# Altium PCB EVK-IRIS-W1.PcbDoc (part 1 of 9) (continued)
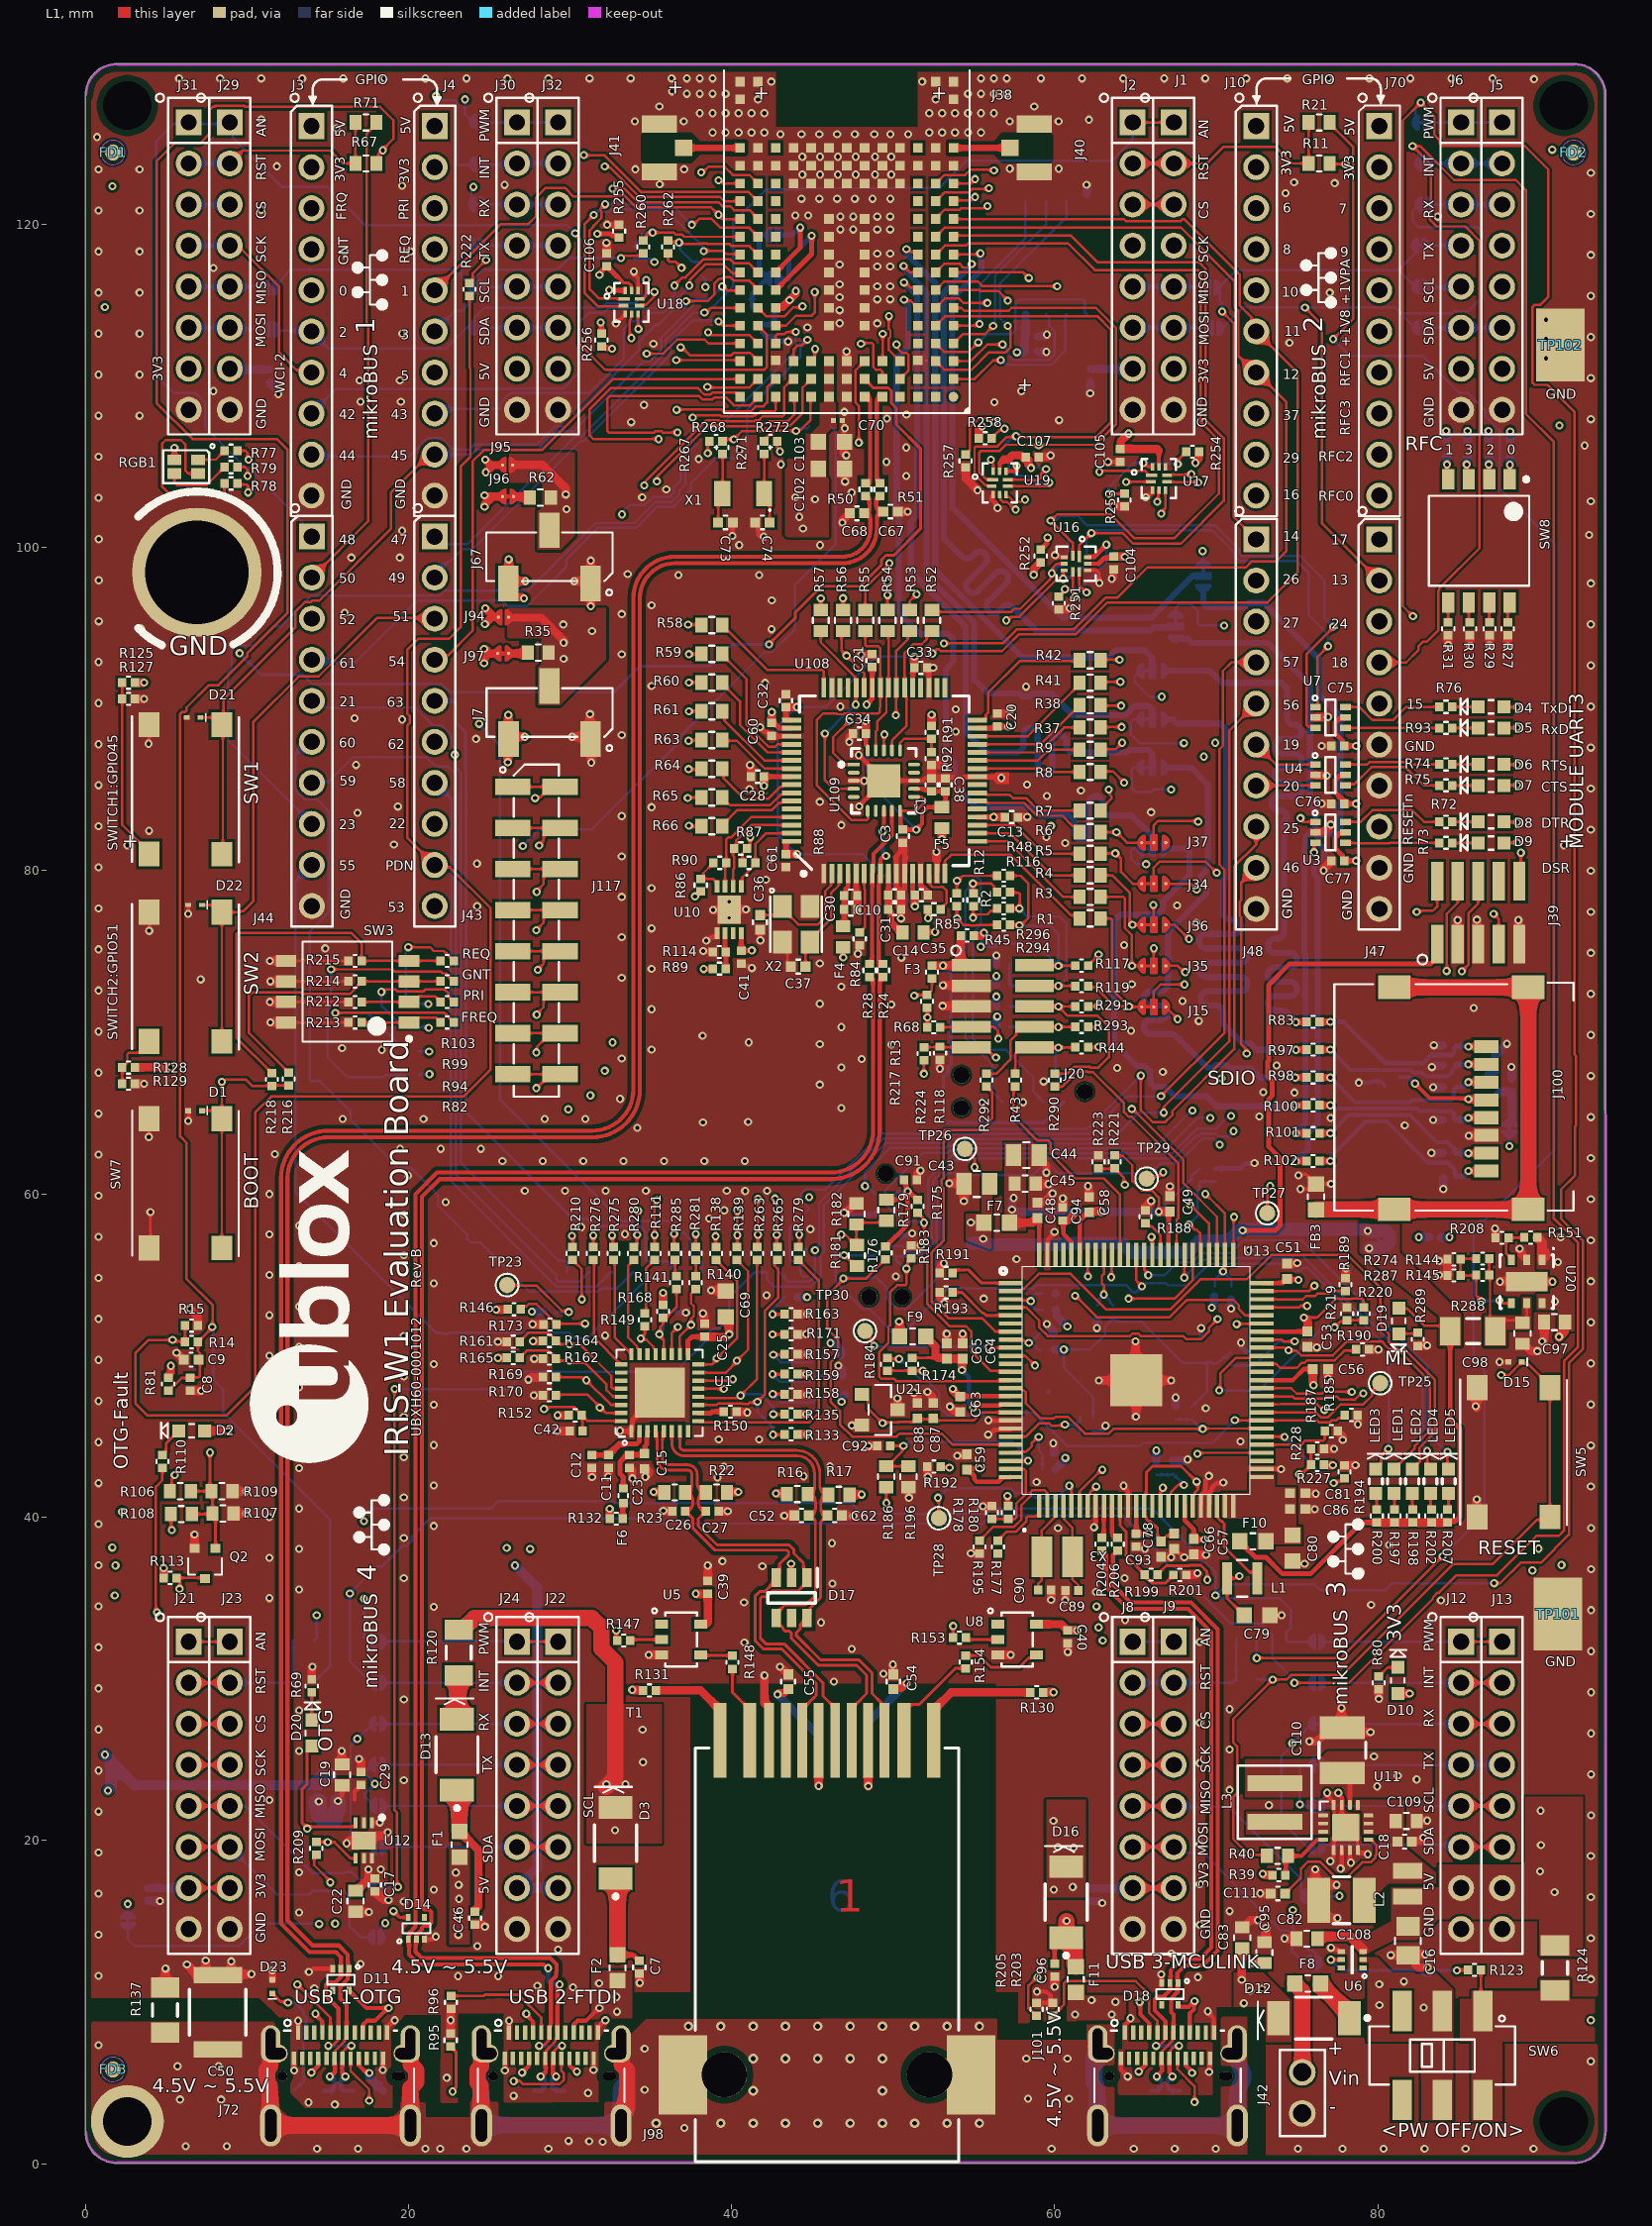
[diagram p0: L1 view]
## Components (designator, comment, footprint, x,y, rotation, side; value= is the part's Value field where it differs from the comment)
C1 "120-000160.1uF" "Cap 0402 HD"#1 52.378,85.305 r90 top locked value=0.1uF
C2 "120-000160.1uF" "Cap 0402 HD"#2 11.405,110.605 r90 top locked value=0.1uF
C3 "120-000160.1uF" "Cap 0402 HD"#1 50.6,82.13 r270 top locked value=0.1uF
C4 "120-000160.1uF" "Cap 0402 HD"#1 62.2,110.621 r90 bottom locked value=0.1uF
C5 "120-000160.1uF" "Cap 0402 HD"#1 62.2,16.626 r90 bottom locked value=0.1uF
C6 "120-000160.1uF" "Cap 0402 HD"#1 3.873,16.651 r90 bottom locked value=0.1uF
C7 "120-000160.1uF" "Cap 0402 HD"#1 34.294,12.141 r90 top locked value=0.1uF
C8 "UBXH01-000024410U" "Cap 0402 HD"#1 6.507,48.213 r270 top locked value=10U
C9 "UBXH01-002302510N" "Cap 0402" 6.558,49.738 r180 top locked value=10N
C10 "120-000160.1uF" "Cap 0402 HD"#1 47.375,78.447 r0 top locked value=0.1uF
C11 "120-000422.2uF" "Cap 0402 HD"#1 32.38,43.451 r270 top locked value=2.2uF
C12 "120-000160.1uF" "Cap 0402 HD"#1 31.342,43.434 r270 top locked value=0.1uF
C13 "120-000160.1uF" "Cap 0402 HD"#1 57.331,83.309 r0 top locked value=0.1uF
C14 "120-000160.1uF" "Cap 0402 HD"#1 50.092,78.473 r0 top locked value=0.1uF
C15 "UBXH01-00002434U7" Cap_0402_1200Lx700Wx700H_600x600Pad_350G_FLX 34.617,43.451 r270 top locked value=4U7
C16 "UBXH01-00000074U7" "Cap 0805" 81.861,13.787 r270 top locked value=4U7
C17 "120-000160.1uF" "Cap 0402 HD"#3 17.929,17.238 r270 top locked value=0.1uF
C18 "UBXH01-00002111N5" "CAP 0402"#1 81.657,19.918 r0 top locked value=1N5
C19 "UBXH01-000031010U" "Cap 0603 HD"#1 15.899,24.054 r270 top locked value=10U
C20 "120-000160.1uF" "Cap 0402 HD"#1 56.442,89.318 r90 top locked value=0.1uF
C21 "120-000160.1uF" "Cap 0402 HD"#1 48.707,92.993 r90 top locked value=0.1uF
C22 "UBXH01-000031010U" "Cap 0603 HD"#2 16.727,16.231 r90 top locked value=10U
C23 "120-000160.1uF" "Cap 0402 HD"#1 33.684,43.451 r270 top locked value=0.1uF
C24 "120-000160.1uF" "Cap 0402 HD"#1 58.545,113.03 r0 bottom locked value=0.1uF
C25 "120-000160.1uF" "Cap 0402 HD"#1 38.325,51.551 r90 top locked value=0.1uF
C26 "UBXH01-0000233100N" "Cap 0402 HD"#1 36.736,40.373 r0 top locked value=100N
C27 "UBXH01-0000233100N" "Cap 0402 HD"#1 38.819,40.373 r180 top locked value=100N
C28 "120-000160.1uF" "Cap 0402 HD"#1 41.609,85.813 r180 top locked value=0.1uF
C29 "120-000160.1uF" "Cap 0402 HD"#1 17.067,23.825 r90 top locked value=0.1uF
C30 "UBXH01-00002434U7" "Cap 0402 HD"#1 47.375,77.584 r0 top locked value=4U7
C31 "UBXH01-00002434U7" "Cap 0402 HD"#1 50.092,77.609 r0 top locked value=4U7
C32 "UBXH01-00002434U7" "Cap 0402 HD"#1 43.361,90.512 r90 top locked value=4U7
C33 "120-000160.1uF" "Cap 0402 HD"#1 51.707,92.544 r0 top locked value=0.1uF
C34 "120-000160.1uF" "Cap 0402 HD"#1 47.908,88.48 r180 top locked value=0.1uF
C35 "120-000160.1uF" "Cap 0402 HD"#1 51.743,78.473 r0 top locked value=0.1uF
C36 "UBXH01-000401718P" "Cap 0402" 41.761,76.796 r270 top locked value=18P
C37 "UBXH01-000401718P" "Cap 0402" 44.123,74.053 r180 top locked value=18P
C38 "UBXH01-00002434U7" "Cap 0402 HD"#1 53.242,85.305 r90 top locked value=4U7
C39 "120-000160.1uF" "Cap 0402 HD"#1 38.53,35.662 r90 top locked value=0.1uF
C40 "120-000160.1uF" "Cap 0402 HD"#1 60.813,32.588 r270 top locked value=0.1uF
C41 "120-000160.1uF" "Cap 0402 HD"#1 40.604,74.631 r270 top locked value=0.1uF
C42 "120-000160.1uF" "Cap 0402 HD"#1 30.375,45.327 r180 top locked value=0.1uF
C43 "120-0012910uF" "Cap 0805 HD"#1 55.167,60.604 r180 top locked value=10uF
C44 "120-0012910uF" "Cap 0805 HD"#1 58.244,62.392 r0 top locked value=10uF
C45 "UBXH01-00002784U7" "Cap 0603 HD"#3 58.166,60.63 r0 top locked value=4U7
C46 "120-000160.1uF" "Cap 0402 HD"#1 24.128,15.189 r90 top locked value=0.1uF
C47 "UBXH01-00002434U7" "Cap 0402 HD"#1 58.545,112.098 r0 bottom locked value=4U7
C48 "UBXH01-0000233100N" Cap_0402_1100Lx600Wx600H_600x600Pad_350G_FLX#1 58.928,58.978 r90 top locked value=100N
C49 "UBXH01-0000233100N" Cap_0402_1100Lx600Wx600H_600x600Pad_350G_FLX#1 67.129,59.382 r90 top locked value=100N
C50 "1812GC472KAT1A\1K" FP-1812-L_4_6_0_5-W_3_2_0-MFG 8.199,9.359 r270 top locked
C51 "UBXH01-0000233100N" Cap_0402_1100Lx600Wx600H_600x600Pad_350G_FLX#1 74.368,55.211 r90 top locked value=100N
C52 "UBXH01-0000233100N" "CAP 0402"#2 44.332,40.099 r180 top locked value=100N
C53 "UBXH01-0000233100N" Cap_0402_1100Lx600Wx600H_600x600Pad_350G_FLX#1 75.64,51.003 r270 top locked value=100N
C54 "UBXH01-0000233100N" "Cap 0402" 50.011,29.813 r90 top locked value=100N
C55 "UBXH01-0000233100N" "Cap 0402" 43.509,29.813 r90 top locked value=100N
C56 "UBXH01-0000233100N" Cap_0402_1100Lx600Wx600H_600x600Pad_350G_FLX#1 76.452,49.149 r0 top locked value=100N
C57 "UBXH01-002302510N" Cap_0402_1100Lx600Wx600H_600x600Pad_350G_FLX#1 68.604,38.176 r270 top locked value=10N
C58 "UBXH01-002302510N" Cap_0402_1100Lx600Wx600H_600x600Pad_350G_FLX#1 62.128,59.334 r90 top value=10N
C59 "UBXH01-002302510N" Cap_0402_1100Lx600Wx600H_600x600Pad_350G_FLX#1 54.558,43.409 r90 top locked value=10N
C60 "120-000160.1uF" "Cap 0402 HD"#1 42.472,88.734 r270 top locked value=0.1uF
C61 "120-000160.1uF" "Cap 0402 HD"#1 43.361,80.606 r270 top locked value=0.1uF
C62 "UBXH01-0000233100N" "CAP 0402"#2 46.38,40.099 r180 top locked value=100N
C63 "UBXH01-002302510N" Cap_0402_1100Lx600Wx600H_600x600Pad_350G_FLX#1 54.149,46.981 r270 top locked value=10N
C64 "UBXH01-0000233100N" Cap_0402_1100Lx600Wx600H_600x600Pad_350G_FLX#1 54.304,50.267 r90 top locked value=100N
C65 "UBXH01-000802247P" Cap_0402_1100Lx600Wx600H_600x600Pad_350G_FLX#1 53.326,50.267 r90 top locked value=47P
C66 "UBXH01-000802247P" Cap_0402_1100Lx600Wx600H_600x600Pad_350G_FLX#1 67.392,38.5 r270 top value=47P
C67 "UBXH01-00040115P6" "Cap 0402" 49.832,102.209 r0 top locked value=5P6
C68 "UBXH01-00040115P6" "Cap 0402" 47.755,102.103 r180 top locked value=5P6
C69 "UBXH01-000004122U" "cap 0603" 39.63,53.188 r90 top locked value=22U
C70 "UBXH01-0000245100N" "Cap 0201 HD"#1 46.582,107.854 r0 top locked value=100N
C71 "120-0013310uF" "Cap 0805 HD"#2 86.841,66.573 r90 bottom locked value=10uF
C72 "120-000770.1uF" "Cap 0402 HD"#1 88.289,66.726 r90 bottom locked value=0.1uF
C73 "UBXH01-000401718P" "Cap 0402" 39.624,101.533 r0 top locked value=18P
C74 "UBXH01-000401718P" "Cap 0402" 41.91,101.533 r180 top locked value=18P
C75 "120-000160.1uF" "Cap 0402 HD"#1 77.507,87.711 r180 top locked value=0.1uF
C76 "120-000160.1uF" "Cap 0402 HD"#1 77.507,84.13 r180 top locked value=0.1uF
C77 "120-000160.1uF" "Cap 0402 HD"#1 77.507,80.607 r180 top locked value=0.1uF
C78 "UBXH01-0000233100N" Cap_0402_1100Lx600Wx600H_600x600Pad_350G_FLX#1 66.572,38.024 r270 top locked value=100N
C79 "UBXH01-000015022U" "Cap 0603"#1 72.515,33.925 r0 top locked value=22U
C80 "UBXH01-000015022U" "Cap 0603"#2 74.713,38.066 r270 top locked value=22U
C81 "UBXH01-0000233100N" Cap_0402_1100Lx600Wx600H_600x600Pad_350G_FLX#2 75.03,41.478 r0 top locked value=100N
C82 "UBXH01-000031010U" "Cap 0603 HD"#2 75.614,13.915 r180 top locked value=10U
C83 "UBXH01-000031010U" "Cap 0603 HD"#2 71.595,13.97 r90 top locked value=10U
C84 "UBXH01-00002434U7" "Cap 0402 HD"#1 42.691,113.343 r270 bottom locked value=4U7
C85 "UBXH01-0000245100N" "Cap 0201 HD"#2 41.894,113.578 r270 bottom locked value=100N
C86 "UBXH01-000802247P" Cap_0402_1100Lx600Wx600H_600x600Pad_350G_FLX#2 75.03,40.501 r0 top locked value=47P
C87 "UBXH01-0000233100N" Cap_0402_1100Lx600Wx600H_600x600Pad_350G_FLX#1 52.475,46.584 r90 top locked value=100N
C88 "UBXH01-0000233100N" Cap_0402_1100Lx600Wx600H_600x600Pad_350G_FLX#1 51.498,46.584 r90 top locked value=100N
C89 "120-000160.1uF" "Cap 0402 HD"#1 61.062,35.458 r180 top locked value=0.1uF
C90 "120-000160.1uF" "Cap 0402 HD"#1 59.385,35.484 r0 top locked value=0.1uF
C91 "120-000160.1uF" "Cap 0402 HD"#1 51.078,60.858 r0 top locked value=0.1uF
C92 "120-000160.1uF" "Cap 0402 HD"#1 49.427,44.399 r180 top locked value=0.1uF
C93 "120-000160.1uF" "Cap 0402 HD"#1 65.022,38.557 r270 top locked value=0.1uF
C94 "120-000160.1uF" "Cap 0402 HD"#1 60.503,58.75 r90 top locked value=0.1uF
C95 "120-000042.2uF" "Cap 0603 HD"#2 72.973,13.056 r270 top locked value=2.2uF
C96 "120-000160.1uF" "Cap 0402 HD"#1 59.991,11.955 r90 top locked value=0.1uF
C97 "UBXH01-000031010U" "Cap 0603 HD"#3 90.928,52.064 r180 top locked value=10U
C98 "UBXH01-000031010U" "Cap 0603 HD"#3 88.951,51.376 r270 top locked value=10U
C99 "120-000770.1uF" "Cap 0402 HD"#1 84.434,69.164 r180 bottom locked value=0.1uF
C100 "120-000770.1uF" "Cap 0402 HD"#1 84.434,67.911 r180 bottom locked value=0.1uF
C101 "120-000770.1uF" "Cap 0402 HD"#1 84.434,66.6 r180 bottom value=0.1uF
C102 "UBXH01-000015022U" "Cap 0603"#2 46.181,104.85 r0 top locked value=22U
C103 "UBXH01-000015022U" "Cap 0603"#2 46.181,106.528 r0 top locked value=22U
C104 "120-000160.1uF" "Cap 0402 HD"#1 63.648,99.042 r270 top locked value=0.1uF
C105 "120-000160.1uF" "Cap 0402 HD"#1 64.057,105.688 r270 top locked value=0.1uF
C106 "120-000160.1uF" "Cap 0402 HD"#1 32.28,117.782 r90 top locked value=0.1uF
C107 "120-000160.1uF" "Cap 0402 HD"#1 58.62,105.579 r0 top locked value=0.1uF
C108 "UBXH01-300100410U" "Cap 1210" 77.746,16.293 r180 top locked value=10U
C109 "UBXH01-0047032100N" "Cap 0603 HD"#3 81.759,21.2 r0 top locked value=100N
C110 "UBXH01-300100522U" "Cap 1210" 77.797,25.569 r90 top locked value=22U
C111 "UBXH01-00230193N3" "CAP 0402"#2 73.811,16.713 r180 top locked value=3N3
C112 "120-000770.1uF" "Cap 0402 HD"#1 84.434,64.567 r180 bottom locked value=0.1uF
C113 "120-000770.1uF" "Cap 0402 HD"#1 84.434,62.535 r180 bottom locked value=0.1uF
C114 "120-000770.1uF" "Cap 0402 HD"#1 84.434,61 r180 bottom value=0.1uF
D1 "110-00019" SOD-923#1 6.802,65.146 r180 top locked
D2 "UBXH11-5006003" LED-0603 6.589,45.339 r0 top locked value=RED
D3 "CMS06(TE12L,Q,M)" FP-M-FLAT-MFG#1 32.823,19.833 r90 top locked
D4 "UBXH11-0000018" LED-0603 87,90.124 r0 top locked value=GREEN
D5 "UBXH11-0000018" LED-0603 87,88.824 r0 top locked value=GREEN
D6 "UBXH11-0000018" LED-0603 87,86.568 r0 top locked value=GREEN
D7 "UBXH11-0000018" LED-0603 87,85.268 r0 top locked value=GREEN
D8 "UBXH11-0000018" LED-0603 87,83.012 r0 top locked value=GREEN
D9 "UBXH11-0000018" LED-0603 87,81.712 r0 top locked value=GREEN
D10 "UBXH11-0000018" LED-0603 81.228,29.896 r270 top locked value=GREEN
D11 "110-00018" SOT-553 15.823,11.379 r270 top locked
D12 "CMS06(TE12L,Q,M)" FP-M-FLAT-MFG#1 76.043,9 r180 top locked
D13 "CMS06(TE12L,Q,M)" FP-M-FLAT-MFG#2 23.003,25.298 r90 top locked
D14 "110-00018" SOT-553 20.496,14.554 r90 top locked
D15 "110-00019" SOD-923#1 88.491,49.598 r180 top locked
D16 "CMS06(TE12L,Q,M)" FP-M-FLAT-MFG#1 60.702,16.171 r90 top locked
D17 "SRV05-4.TCT" SOT95P280X145-6N 43.712,35.001 r270 top locked
D18 "110-00018" SOT-553 67.131,10.49 r270 top locked
D19 "UBXH11-0000018" LED-0603 81.289,52.138 r90 top locked value=GREEN
D20 "UBXH11-0000018" LED-0603 14.045,26.645 r270 top locked value=GREEN
D21 "110-00019" SOD-923#2 6.701,89.472 r180 top locked
D22 "110-00019" SOD-923#2 6.802,77.868 r180 top locked
D23 "110-00019" SOD-923#1 11.582,10.947 r90 top
F1 "UBXH08-0000038" "IND 0603"#1 23.163,19.746 r90 top locked value=120R@100MHZ
F2 "UBXH08-0000038" "IND 0603"#1 32.942,12.116 r90 top locked value=120R@100MHZ
F3 "UBXH08-0000001" "IND 0603 HD" 51.235,76.161 r180 top locked value=600OHM
F4 "UBXH08-0000001" "IND 0603 HD" 46.892,75.907 r90 top locked value=600OHM
F5 "UBXH08-0000001" "IND 0603 HD" 53.013,83.273 r90 top locked value=600OHM
F6 "UBXH08-0000000" "IND 0402" 33.296,41.317 r90 top locked value=120OHM
F7 "UBXH08-0041002" "IND 0603"#2 56.41,58.208 r0 top locked value=600R@100MHZ
F8 "UBXH08-0000038" "IND 0603"#3 75.655,11.142 r0 top locked value=120R@100MHZ
F9 "UBXH08-0041002" "IND 0603"#3 51.205,51.181 r0 top locked value=600R@100MHZ
F10 "UBXH08-0041002" "IND 0603"#4 72.261,38.498 r0 top locked value=600R@100MHZ
F11 "155-00012" "IND 0603"#4 61.296,11.394 r270 top locked value=None
FB3 "BLM18EG221SN1" BLM18EG221SN1 76.176,59.814 r270 top locked value=None
FD1 "Fiducial_1mmDNP" "Fiducial 1mm - Circle"#1 1.717,124.429 r0 top locked
FD2 "Fiducial_1mmDNP" "Fiducial 1mm - Circle"#2 92.107,124.429 r90 top locked
FD3 "Fiducial_1mmDNP" "Fiducial 1mm - Circle"#2 1.717,5.829 r90 top locked
FD4 "Fiducial_1mmDNP" "Fiducial 1mm - Circle"#2 1.717,124.429 r90 bottom locked
FD5 "Fiducial_1mmDNP" "Fiducial 1mm - Circle"#2 92.107,5.829 r90 bottom locked
FD6 "Fiducial_1mmDNP" "Fiducial 1mm - Circle"#2 92.107,124.429 r90 bottom locked
J1 "PPTC081LFBN-RC" SKT-0.1P-8PIN-8X1_TH 67.365,126.288 r270 top locked
J2 "PPTC081LFBN-RC" SKT-0.1P-8PIN-8X1_TH 64.825,126.288 r270 top locked
J3 "130-00046" HDR-0.1P-10PIN-10X1-TH 14.005,114.629 r0 top locked
J4 "130-00046" HDR-0.1P-10PIN-10X1-TH 21.625,114.629 r0 top locked
J5 "PPTC081LFBN-RC" SKT-0.1P-8PIN-8X1_TH 87.685,126.288 r270 top locked
J6 "PPTC081LFBN-RC" SKT-0.1P-8PIN-8X1_TH 85.145,126.288 r270 top locked
J7 "130-00105" HDR-0.1P-3Pin-1Row-SMT 28.735,89.778 r180 top locked
J8 "PPTC081LFBN-RC" SKT-0.1P-8PIN-8x1_TH 64.825,32.288 r270 top locked
J9 "PPTC081LFBN-RC" SKT-0.1P-8PIN-8X1_TH 67.365,32.288 r270 top locked
J10 "130-00046" HDR-0.1P-10PIN-10X1-TH 72.465,114.629 r0 top locked
J11 "Solderbridge-OpenDNP" Solderbridge-Open#1 75.905,22.128 r0 bottom locked
J12 "PPTC081LFBN-RC" SKT-0.1P-8PIN-8X1_TH 85.145,32.288 r270 top locked
J13 "PPTC081LFBN-RC" SKT-0.1P-8PIN-8X1_TH 87.685,32.288 r270 top locked
J14 "Solderbridge-ShortDNP" Solderbridge-Short 2.638,15.374 r270 bottom locked net-tie
J15 "Solderbridge-OptionDNP" Solderbridge-Option#1 65.378,71.565 r0 top locked net-tie
J16 "Solderbridge-ShortDNP" Solderbridge-Short 75.919,24.668 r0 bottom locked net-tie
J17 "Solderbridge-ShortDNP" Solderbridge-Short 17.77,24.693 r0 bottom locked net-tie
J18 "Solderbridge-ShortDNP" Solderbridge-Short 75.919,27.208 r0 bottom locked net-tie
J19 "Solderbridge-ShortDNP" Solderbridge-Short 17.77,27.208 r0 bottom locked net-tie
J20 "130-00099" HDR.050P-10Pin-2x5-SMT_Key 56.793,71.603 r270 top locked
J21 "PPTC081LFBN-RC" SKT-0.1P-8PIN-8x1_TH 6.405,32.288 r270 top locked
J22 "PPTC081LFBN-RC" SKT-0.1P-8PIN-8x1_TH 29.265,32.288 r270 top locked
J23 "PPTC081LFBN-RC" SKT-0.1P-8PIN-8x1_TH 8.945,32.288 r270 top locked
J24 "PPTC081LFBN-RC" SKT-0.1P-8PIN-8x1_TH 26.725,32.288 r270 top locked
J25 "Solderbridge-ShortDNP" Solderbridge-Short 23.871,118.668 r0 bottom locked net-tie
J26 "Solderbridge-ShortDNP" Solderbridge-Short 82.293,118.668 r0 bottom locked net-tie
J27 "Solderbridge-ShortDNP" Solderbridge-Short 24.617,121.212 r180 bottom locked net-tie
J28 "Solderbridge-ShortDNP" Solderbridge-Short 82.539,121.212 r0 bottom locked net-tie
J29 "PPTC081LFBN-RC" SKT-0.1P-8PIN-8x1_TH 8.945,126.288 r270 top locked
J30 "PPTC081LFBN-RC" SKT-0.1P-8PIN-8x1_TH 26.725,126.288 r270 top locked
J31 "PPTC081LFBN-RC" SKT-0.1P-8PIN-8x1_TH 6.405,126.288 r270 top locked
J32 "PPTC081LFBN-RC" SKT-0.1P-8PIN-8x1_TH 29.265,126.288 r270 top locked
J33 "TC2050-IDC-NLDNP" TC2050-IDC-NL 50.163,59.969 r270 bottom locked
J34 "Solderbridge-OptionDNP" Solderbridge-Option#1 65.378,79.185 r0 top locked net-tie
J35 "Solderbridge-OptionDNP" Solderbridge-Option#1 65.378,74.105 r0 top locked net-tie
J36 "Solderbridge-OptionDNP" Solderbridge-Option#1 65.378,76.645 r0 top locked net-tie
J37 "Solderbridge-OptionDNP" Solderbridge-Option#1 65.378,81.725 r0 top locked net-tie
J38 "IRIS-W1x6" IRIS-W1x6_LGA152 47.131,117.012 r90 top locked
J39 "130-00099" HDR.050P-10Pin-2x5-SMT_Key 86.206,77.394 r0 top locked
J40 "130-00067" U.FL_3Pin 58.731,124.712 r270 top locked
J41 "130-00067" U.FL_3Pin 35.531,124.712 r90 top locked
J42 "61300211121" CONN_61300211121_WRE 75.314,3.108 r90 top
J43 "130-00046" HDR-0.1P-10PIN-10x1-TH 21.625,89.233 r0 top locked
J44 "130-00046" HDR-0.1P-10PIN-10x1-TH 14.025,89.233 r0 top locked
J45 "TC2050-IDC-NLDNP" TC2050-IDC-NL 60.579,65.684 r180 bottom locked
J47 "130-00046" HDR-0.1P-10PIN-10x1-TH 80.085,89.059 r0 top locked
J48 "130-00046" HDR-0.1P-10PIN-10x1-TH 72.465,89.059 r0 top locked
J55 "Solderbridge-OptionDNP" Solderbridge-Option#2 65.296,81.362 r0 bottom locked net-tie
J56 "Solderbridge-OptionDNP" Solderbridge-Option#2 65.296,89.362 r0 bottom locked net-tie
J57 "Solderbridge-OptionDNP" Solderbridge-Option#2 65.296,86.362 r0 bottom locked net-tie
J58 "Solderbridge-OptionDNP" Solderbridge-Option#2 67.486,95.848 r270 bottom locked net-tie
J59 "Solderbridge-OptionDNP" Solderbridge-Option#2 69.188,98.972 r270 bottom locked net-tie
J60 "Solderbridge-OptionDNP" Solderbridge-Option#2 65.296,92.362 r0 bottom locked net-tie
J61 "Solderbridge-OpenDNP" Solderbridge-Open#2 75.919,32.288 r0 bottom
J62 "Solderbridge-OpenDNP" Solderbridge-Open#3 75.919,29.748 r0 bottom
J67 "130-00105" HDR-0.1P-3Pin-1Row-SMT 28.724,99.404 r180 top locked
J70 "130-00046" HDR-0.1P-10PIN-10x1-TH 80.085,114.629 r0 top locked
J72 "130-00150" CON_USB-C-RA_W-6Tabs 15.801,5.412 r0 top locked
J73 "Solderbridge-OpenDNP" Solderbridge-Open#3 76.01,16.535 r180 bottom locked
J74 "Solderbridge-OpenDNP" Solderbridge-Open#1 18.435,17.048 r180 bottom locked
J75 "Solderbridge-OpenDNP" Solderbridge-Open#4 17.835,22.13 r0 bottom locked
J76 "Solderbridge-OpenDNP" Solderbridge-Open#3 76.315,12.446 r180 bottom locked
J77 "Solderbridge-OpenDNP" Solderbridge-Open#1 18.337,13.995 r180 bottom locked
J78 "Solderbridge-OpenDNP" Solderbridge-Open#4 17.835,19.588 r0 bottom locked
J79 "Solderbridge-OpenDNP" Solderbridge-Open#4 75.905,19.565 r0 bottom locked
J80 "Solderbridge-OpenDNP" Solderbridge-Open#2 11.816,116.056 r180 bottom locked
J81 "Solderbridge-OpenDNP" Solderbridge-Open#2 70.058,116.082 r180 bottom locked
J82 "Solderbridge-OpenDNP" Solderbridge-Open#2 82.326,116.107 r0 bottom locked
J83 "Solderbridge-OpenDNP" Solderbridge-Open#5 23.931,116.107 r0 bottom locked
J84 "Solderbridge-OpenDNP" Solderbridge-Open#3 23.931,113.592 r0 bottom locked
J85 "Solderbridge-OpenDNP" Solderbridge-Open#3 11.866,113.465 r180 bottom locked
J86 "Solderbridge-OpenDNP" Solderbridge-Open#2 70.252,113.567 r180 bottom locked
J87 "Solderbridge-OpenDNP" Solderbridge-Open#2 82.337,113.588 r0 bottom locked
J88 "Solderbridge-ShortDNP" Solderbridge-Short 82.336,126.267 r0 bottom locked net-tie
J89 "Solderbridge-OpenDNP" Solderbridge-Open#6 24.008,126.343 r0 bottom locked
J90 "Solderbridge-OpenDNP" Solderbridge-Open#7 17.82,32.288 r0 bottom locked
J91 "Solderbridge-ShortDNP" Solderbridge-Short 82.503,123.748 r0 bottom locked net-tie
J92 "Solderbridge-OpenDNP" Solderbridge-Open#3 23.992,123.676 r0 bottom locked
J93 "Solderbridge-OpenDNP" Solderbridge-Open#8 17.82,29.748 r0 bottom locked
J94 "Solderbridge-OpenDNP" Solderbridge-Open#2 25.574,95.673 r0 top locked
J95 "Solderbridge-OpenDNP" Solderbridge-Open#3 25.828,105.088 r0 top locked
J96 "Solderbridge-ShortDNP" Solderbridge-Short 25.828,103.139 r0 top locked net-tie
J97 "Solderbridge-ShortDNP" Solderbridge-Short 25.523,93.432 r0 top locked net-tie
J98 "130-00150" CON_USB-C-RA_W-6Tabs 28.846,5.412 r0 top locked
J99 "Solderbridge-ShortDNP" Solderbridge-Short 88.136,63.703 r90 bottom locked net-tie
J100 "130-00062" Micro_SD_SKT_SMT_RA 86.703,65.26 r90 top locked
J101 "130-00150" CON_USB-C-RA_W-6Tabs 66.976,5.412 r0 top locked
J115 "Solderbridge-OpenDNP" Solderbridge-Open#6 42.917,116.636 r180 bottom locked
J116 "Solderbridge-OpenDNP" Solderbridge-Open#6 42.917,119.325 r180 bottom locked
J117 "130-00102" SKT-0.1P-SSM-108-L-SV 27.919,76.286 r270 top locked
L1 "LQH2HPN4R7MJRL" IND_LQH2HPN4R7MJRL_MUR 71.601,36.211 r0 top locked
L2 "UBXH09-00000252U2" "IND 0806" 81.835,17.314 r90 top locked value=2U2
L3 "UBXH09-00001762U2" Ind_4mmx4mm 73.619,22.343 r90 top locked value=2U2
LED1 "LS_L29K-H1J2-1" SMT-0603 80.995,42.215 r270 top locked
LED2 "LS_L29K-H1J2-1" SMT-0603 82.123,42.215 r270 top locked
LED3 "LS_L29K-H1J2-1" SMT-0603 79.868,42.215 r270 top locked
LED4 "LS_L29K-H1J2-1" SMT-0603 83.25,42.215 r270 top locked
LED5 "LS_L29K-H1J2-1" SMT-0603 84.377,42.215 r270 top locked
Q2 "140-00017" SOT-323 7.413,37.126 r270 top locked
R1 "UBXH18-00004001K0" "RES 0603 HD"#1 62.184,77.036 r0 top locked value=1K0
R2 "UBXH18-00030020R" "RES 0402 HD"#1 54.964,78.182 r270 top locked value=0R
R3 "UBXH18-00004001K0" "RES 0603 HD"#1 62.184,78.371 r0 top locked value=1K0
R4 "UBXH18-00004001K0" "RES 0603 HD"#1 62.184,79.705 r0 top locked value=1K0
R5 "UBXH18-00004001K0" "RES 0603 HD"#1 62.184,81.04 r0 top locked value=1K0
R6 "UBXH18-00004001K0" "RES 0603 HD"#1 62.184,82.374 r0 top locked value=1K0
R7 "UBXH18-00004001K0" "RES 0603 HD"#1 62.184,83.709 r0 top locked value=1K0
R8 "UBXH18-00004001K0" "RES 0603 HD"#1 62.184,86.1 r0 top locked value=1K0
R9 "UBXH18-00004001K0" "RES 0603 HD"#1 62.184,87.477 r0 top locked value=1K0
R10 "UBXH18-00004001K0" "RES 0603 HD"#1 13.537,29.743 r180 bottom locked value=1K0
R11 "UBXH18-00004001K0" "RES 0603 HD"#1 76.365,123.748 r180 top locked value=1K0
R12 "UBXH18-00030020R" "RES 0402 HD"#1 53.948,78.182 r270 top locked value=0R
R13 "UBXH18-00030020R" "RES 0402 HD"#1 52.399,73.711 r90 top locked value=0R
R14 "UBXH18-0000504100R" "RES 0402 HD"#1 6.583,50.829 r0 top locked value=100R
R15 "UBXH18-00002134K7" "RES 0402 HD"#1 6.583,51.845 r180 top locked value=4K7
R16 "UBXH18-000011849R9" "RES 0603 HD"#1 44.067,41.426 r0 top locked value=49R9
R17 "UBXH18-000011849R9" "RES 0603 HD"#1 46.645,41.377 r180 top locked value=49R9
R18 "UBXH18-00002134K7" "RES 0402 HD"#1 84.223,106.062 r90 bottom locked value=4K7
R19 "UBXH18-00004001K0" "RES 0603 HD"#1 13.511,32.36 r180 bottom locked value=1K0
R20 "UBXH18-00002134K7" "RES 0402 HD"#1 85.535,106.062 r90 bottom locked value=4K7
R21 "UBXH18-00004001K0" "RES 0603 HD"#1 76.365,126.288 r180 top locked value=1K0
R22 "UBXH18-000011849R9" "RES 0603 HD"#1 39.059,41.528 r180 top locked value=49R9
R23 "UBXH18-000011849R9" "RES 0603 HD"#1 36.482,41.528 r0 top locked value=49R9
R24 "180-0012527R" "RES 0402 HD"#1 49.381,73.824 r270 top locked value=27R
R25 "UBXH18-00002134K7" "RES 0402 HD"#1 86.847,106.062 r90 bottom locked value=4K7
R26 "UBXH18-00002134K7" "RES 0402 HD"#1 88.16,106.062 r90 bottom locked value=4K7
R27 "UBXH18-00002134K7" "RES 0402 HD"#1 88.033,94.95 r270 top locked value=4K7
R28 "180-0012527R" "RES 0402 HD"#1 48.543,73.824 r270 top locked value=27R
R29 "UBXH18-00002134K7" "RES 0402 HD"#1 86.915,94.95 r270 top locked value=4K7
R30 "UBXH18-00002134K7" "RES 0402 HD"#1 85.696,94.95 r270 top locked value=4K7
R31 "UBXH18-00002134K7" "RES 0402 HD"#1 84.35,94.95 r270 top locked value=4K7
R32 "UBXH18-00030020R" "RES 0402 HD"#1 20.24,71.746 r180 bottom locked value=0R
R33 "UBXH18-00030020R" "RES 0402 HD"#1 20.24,67.352 r180 bottom locked value=0R
R34 "UBXH18-00030020R" "RES 0402 HD"#1 20.24,70.282 r180 bottom locked value=0R
R35 "UBXH18-00030010R" "RES 0603 HD"#2 28.038,93.489 r180 top locked value=0R
R36 "UBXH18-00030020R" "RES 0402 HD"#1 20.24,68.817 r180 bottom locked value=0R
R37 "UBXH18-00004001K0" "RES 0603 HD"#1 62.184,88.854 r0 top locked value=1K0
R38 "UBXH18-00004001K0" "RES 0603 HD"#1 62.184,90.231 r0 top locked value=1K0
R39 "UBXH18-0000005100K" "RES 0402 HD"#1 73.862,17.847 r180 top locked value=100K
R40 "UBXH18-00030010R" "RES 0603 HD"#1 73.783,19.037 r180 top locked value=0R
R41 "UBXH18-00004001K0" "RES 0603 HD"#1 62.184,91.623 r0 top locked value=1K0
R42 "UBXH18-00004001K0" "RES 0603 HD"#1 62.184,93.014 r0 top locked value=1K0
R43 "UBXH18-00030020R" "RES 0402 HD"#1 57.555,67.031 r270 top locked value=0R
R44 "UBXH18-00030020R" "RES 0402 HD"#1 61.662,69.063 r0 top locked value=0R
R45 "UBXH18-00030020R" "RES 0402 HD"#1 54.583,75.983 r180 top locked value=0R
R46 "UBXH18-00004001K0" "RES 0603 HD"#1 71.88,29.972 r180 bottom locked value=1K0
R47 "UBXH18-00030020R" "RES 0402 HD"#1 56.793,74.2 r0 bottom locked value=0R
R48 "UBXH18-00030020R" "RES 0402 HD"#1 56.844,79.68 r180 top locked value=0R
R49 "UBXH18-0000005100K" "RES 0402 HD"#1 56.793,71.622 r180 bottom locked value=100K
R50 "UBXH18-00030020R" "RES 0402 HD"#1 48.283,103.58 r90 top locked value=0R
R51 "UBXH18-00030020R" "RES 0402 HD"#1 49.197,103.58 r90 top locked value=0R
R52 "UBXH18-00004001K0" "RES 0603 HD"#1 52.406,95.468 r90 top locked value=1K0
R53 "UBXH18-00004001K0" "RES 0603 HD"#1 51.029,95.468 r90 top locked value=1K0
R54 "UBXH18-00004001K0" "RES 0603 HD"#1 49.652,95.468 r90 top locked value=1K0
R55 "UBXH18-00004001K0" "RES 0603 HD"#1 48.274,95.468 r90 top locked value=1K0
R56 "UBXH18-00004001K0" "RES 0603 HD"#1 46.897,95.468 r90 top locked value=1K0
R57 "UBXH18-00004001K0" "RES 0603 HD"#1 45.52,95.468 r90 top locked value=1K0
R58 "UBXH18-00004001K0" "RES 0603 HD"#1 38.781,95.188 r180 top locked value=1K0
R59 "UBXH18-00004001K0" "RES 0603 HD"#1 38.781,93.41 r180 top locked value=1K0
R60 "UBXH18-00004001K0" "RES 0603 HD"#1 38.781,91.632 r180 top locked value=1K0
R61 "UBXH18-00004001K0" "RES 0603 HD"#1 38.781,89.854 r180 top locked value=1K0
R62 "UBXH18-00030010R" "RES 0603 HD"#3 28.165,103.082 r0 top locked value=0R
R63 "UBXH18-00004001K0" "RES 0603 HD"#1 38.781,88.076 r180 top locked value=1K0
R64 "UBXH18-00004001K0" "RES 0603 HD"#1 38.781,86.298 r180 top locked value=1K0
R65 "UBXH18-00004001K0" "RES 0603 HD"#1 38.781,84.52 r180 top locked value=1K0
R66 "UBXH18-00004001K0" "RES 0603 HD"#1 38.781,82.742 r180 top locked value=1K0
R67 "UBXH18-00004001K0" "RES 0603 HD"#1 17.375,123.748 r180 top locked value=1K0
R68 "UBXH18-00030020R" "RES 0402 HD"#1 52.516,70.307 r0 top locked value=0R
R69 "UBXH18-0008041470R" "RES 0402 HD"#1 14.019,29.545 r270 top locked value=470R
R70 "UBXH18-00004001K0" "RES 0603 HD"#1 71.88,32.487 r180 bottom locked value=1K0
R71 "UBXH18-00004001K0" "RES 0603 HD"#1 17.375,126.288 r180 top locked value=1K0
R72 "UBXH18-0008041470R" "RES 0402 HD"#1 84.206,83.012 r0 top locked value=470R
R73 "UBXH18-0008041470R" "RES 0402 HD"#1 84.206,81.712 r0 top locked value=470R
R74 "UBXH18-0008041470R" "RES 0402 HD"#1 84.206,86.568 r0 top locked value=470R
R75 "UBXH18-0008041470R" "RES 0402 HD"#1 84.206,85.268 r0 top locked value=470R
R76 "UBXH18-0008041470R" "RES 0402 HD"#1 84.206,90.124 r0 top locked value=470R
R77 "UBXH18-0008046750R" "RES 0402 HD"#1 9.019,105.981 r180 top locked value=750R
R78 "UBXH18-0008041470R" "RES 0402 HD"#1 9.019,103.949 r180 top locked value=470R
R79 "UBXH18-0000216360R" "RES 0402 HD"#1 9.019,104.965 r180 top locked value=360R
R80 "UBXH18-0008041470R" "RES 0402 HD"#1 80.047,29.748 r90 top locked value=470R
R81 "UBXH18-0008097100K" "RES 0402 HD"#1 5.135,48.234 r90 top locked value=100K
R82 "UBXH18-00002134K7" "RES 0402 HD"#1 22.4,70.601 r180 top locked value=4K7
R83 "UBXH18-000801333R" "RES 0402 HD"#1 75.98,70.642 r0 top locked value=33R
R84 "UBXH18-000013712K" "RES 0402 HD"#1 47.933,75.78 r90 top locked value=12K
R85 "UBXH18-00080572K2" "RES 0402 HD"#1 52.531,77.609 r0 top locked value=2K2
R86 "UBXH18-000807310K" "RES 0402 HD"#2 38.093,79.101 r270 top locked value=10K
R87 "UBXH18-000807310K" "RES 0402 HD"#1 40.567,81.368 r0 top locked value=10K
R88 "UBXH18-000807310K" "RES 0402 HD"#1 41.075,80.479 r180 top locked value=10K
R89 "UBXH18-000807310K" "RES 0402 HD"#1 39.25,73.928 r0 top locked value=10K
R90 "UBXH18-00080572K2" "RES 0402 HD"#1 39.272,80.479 r180 top locked value=2K2
R91 "UBXH18-00080654K7" "RES 0402 HD"#1 52.378,88.556 r90 top locked value=4K7
R92 "UBXH18-000807310K" "RES 0402 HD"#1 52.378,86.931 r270 top locked value=10K
R93 "UBXH18-0008041470R" "RES 0402 HD"#1 84.206,88.824 r0 top locked value=470R
R94 "UBXH18-00002134K7" "RES 0402 HD"#1 22.4,71.87 r180 top locked value=4K7
R95 "UBXH18-00080665K1" "RES 0402 HD"#1 22.612,7.637 r90 top locked value=5K1
R96 "UBXH18-00080665K1" "RES 0402 HD"#1 22.631,9.974 r90 top locked value=5K1
R97 "UBXH18-000801333R" "RES 0402 HD"#1 75.98,68.92 r0 top locked value=33R
R98 "UBXH18-000801333R" "RES 0402 HD"#1 75.98,67.198 r0 top locked value=33R
R99 "UBXH18-00002134K7" "RES 0402 HD"#1 22.4,73.141 r180 top locked value=4K7
R100 "UBXH18-000801333R" "RES 0402 HD"#1 75.98,65.476 r0 top locked value=33R
R101 "UBXH18-000801333R" "RES 0402 HD"#1 75.98,63.754 r0 top locked value=33R
R102 "UBXH18-000801333R" "RES 0402 HD"#1 75.98,62.032 r0 top locked value=33R
R103 "UBXH18-00002134K7" "RES 0402 HD"#1 22.4,74.411 r180 top locked value=4K7
R104 "UBXH18-0000005100K" "RES 0402 HD"#1 56.793,70.333 r180 bottom locked value=100K
R105 "UBXH18-0000005100K" "RES 0402 HD"#1 56.793,75.489 r180 bottom locked value=100K
R106 "UBXH18-00000105K1" "RES 0603 HD"#1 5.889,41.597 r180 top locked value=5K1
R107 "UBXH18-00000105K1" "RES 0603 HD"#1 8.531,40.225 r0 top locked value=5K1
R108 "UBXH18-00000105K1" "RES 0603 HD"#1 5.954,40.183 r0 top locked value=5K1
R109 "UBXH18-00000105K1" "RES 0603 HD"#1 8.466,41.602 r180 top locked value=5K1
R110 "UBXH18-0008041470R" "RES 0402 HD"#1 4.774,43.434 r270 top locked value=470R
R111 "UBXH18-00030020R" "RES 0402 HD"#1 35.235,56.313 r90 top locked value=0R
R112 "UBXH18-0000005100K" "RES 0402 HD"#1 56.793,72.911 r180 bottom locked value=100K
R113 "UBXH18-0000005100K" "RES 0402 HD"#1 5.254,36.237 r0 top locked value=100K
R114 "UBXH18-000807310K" "RES 0402 HD"#1 39.249,74.962 r0 top locked value=10K
R115 "UBXH18-00030010R" "RES 0603 HD"#1 35.381,55.809 r90 bottom locked value=0R
R116 "UBXH18-00030020R" "RES 0402 HD"#1 56.844,78.668 r180 top locked value=0R
R117 "UBXH18-00030020R" "RES 0402 HD"#1 61.662,74.117 r0 top locked value=0R
R118 "UBXH18-00030020R" "RES 0402 HD"#1 52.902,68.707 r90 top locked value=0R
R119 "UBXH18-00030020R" "RES 0402 HD"#1 61.662,72.854 r0 top locked value=0R
R120 "UBXH18-00000200R" "RES 1206"#1 23.112,31.61 r90 top locked value=0R
R121 "UBXH18-00000200R" "RES 1206"#1 15.086,22.603 r270 bottom locked value=0R
R122 "UBXH18-00000200R" "RES 1206"#1 15.033,17.416 r270 bottom locked value=0R
R123 "180-0002410k" "RES 0402 HD"#1 85.975,11.98 r0 top locked value=10k
R124 "UBXH18-00000200R" "RES 1206"#2 90.956,12.107 r90 top locked value=0R
R125 "UBXH18-00030020R" "RES 0402 HD"#1 2.689,91.622 r0 top locked value=0R
R126 "R126" "RES 0603 HD"#1 41.94,114.858 r0 bottom locked value=0R
R127 "UBXH18-00030020R" "RES 0402 HD"#1 2.689,90.617 r0 top locked value=0R
R128 "UBXH18-00030020R" "RES 0402 HD"#1 2.689,67.809 r0 top locked value=0R
R129 "UBXH18-00030020R" "RES 0402 HD"#1 2.689,66.805 r0 top locked value=0R
R130 "180-00056220" "RES 0402 HD"#1 58.876,29.155 r0 top locked value=220
R131 "180-00056220" "RES 0402 HD"#1 34.923,29.276 r180 top locked value=220
R132 "UBXH18-00030020R" "RES 0402 HD"#1 32.866,39.903 r0 top locked value=0R
R133 "180-001101.5k" "RES 0402 HD"#1 43.677,45.125 r0 top locked value=1.5k
R134 "UBXH18-00030020R" "RES 0402 HD"#1 60.752,99.27 r90 bottom locked value=0R
R135 "180-000211k" "RES 0402 HD"#1 43.677,46.362 r0 top locked value=1k
R136 "UBXH18-00030020R" "RES 0402 HD"#1 61.963,99.099 r270 bottom locked value=0R
R137 "UBXH18-0000460100R" "RES 1206"#3 4.946,9.503 r270 top locked value=100R
R138 "UBXH18-00030020R" "RES 0402 HD"#1 39.044,56.313 r270 top locked value=0R
R139 "UBXH18-00030020R" "RES 0402 HD"#1 40.314,56.313 r270 top locked value=0R
R140 "UBXH18-00030020R" "RES 0402 HD"#1 37.771,54.5 r270 top locked value=0R
R141 "UBXH18-00030020R" "RES 0402 HD"#1 36.577,54.5 r270 top locked value=0R
R142 "UBXH18-00030020R" "RES 0402 HD"#1 56.918,105.96 r270 bottom locked value=0R
R143 "UBXH18-00030020R" "RES 0402 HD"#1 58.264,105.986 r270 bottom locked value=0R
R144 "UBXH18-00030020R" "RES 0402 HD"#1 86.482,55.984 r0 top locked value=0R
R145 "UBXH18-00001388K2" "RES 0402 HD"#1 86.482,54.98 r0 top locked value=8K2
R146 "180-000211k" "RES 0402 HD"#1 26.541,52.857 r180 top locked value=1k
R147 "UBXH18-00030020R" "RES 0402 HD"#1 33.318,32.36 r0 top locked value=0R
R148 "UBXH18-00030020R" "RES 0402 HD"#1 40.057,31.013 r270 top locked value=0R
R149 "UBXH18-00030020R" "RES 0402 HD"#1 34.642,52.214 r270 top locked value=0R
R150 "180-002056.49k" "RES 0402 HD"#1 39.925,46.524 r0 top locked value=6.49k
R151 "UBXH18-00030020R" "RES 0402 HD"#1 89.454,57.294 r0 top locked value=0R
R152 "180-0002410k" "RES 0402 HD"#1 30.324,46.296 r180 top locked value=10k
R153 "UBXH18-00030020R" "RES 0402 HD"#1 54.11,32.537 r0 top locked value=0R
R154 "UBXH18-00030020R" "RES 0402 HD"#1 54.496,31.039 r270 top locked value=0R
R155 "180-000211k" "RES 0402 HD"#1 46.496,47.586 r0 bottom locked value=1k
R156 "180-000211k" "RES 0402 HD"#1 46.446,48.754 r0 bottom locked value=1k
R157 "180-000211k" "RES 0402 HD"#1 43.677,50.073 r0 top locked value=1k
R158 "180-000211k" "RES 0402 HD"#1 43.677,47.599 r0 top locked value=1k
R159 "UBXH18-00002134K7" "RES 0402 HD"#1 43.677,48.836 r0 top locked value=4K7
R160 "180-000211k" "RES 0402 HD"#1 46.369,50.049 r0 bottom locked value=1k
R161 "180-000211k" "RES 0402 HD"#1 26.491,50.851 r180 top locked value=1k
R162 "180-000211k" "RES 0402 HD"#1 28.724,49.801 r180 top locked value=1k